# KiCad board fella.kicad_pcb (continued)
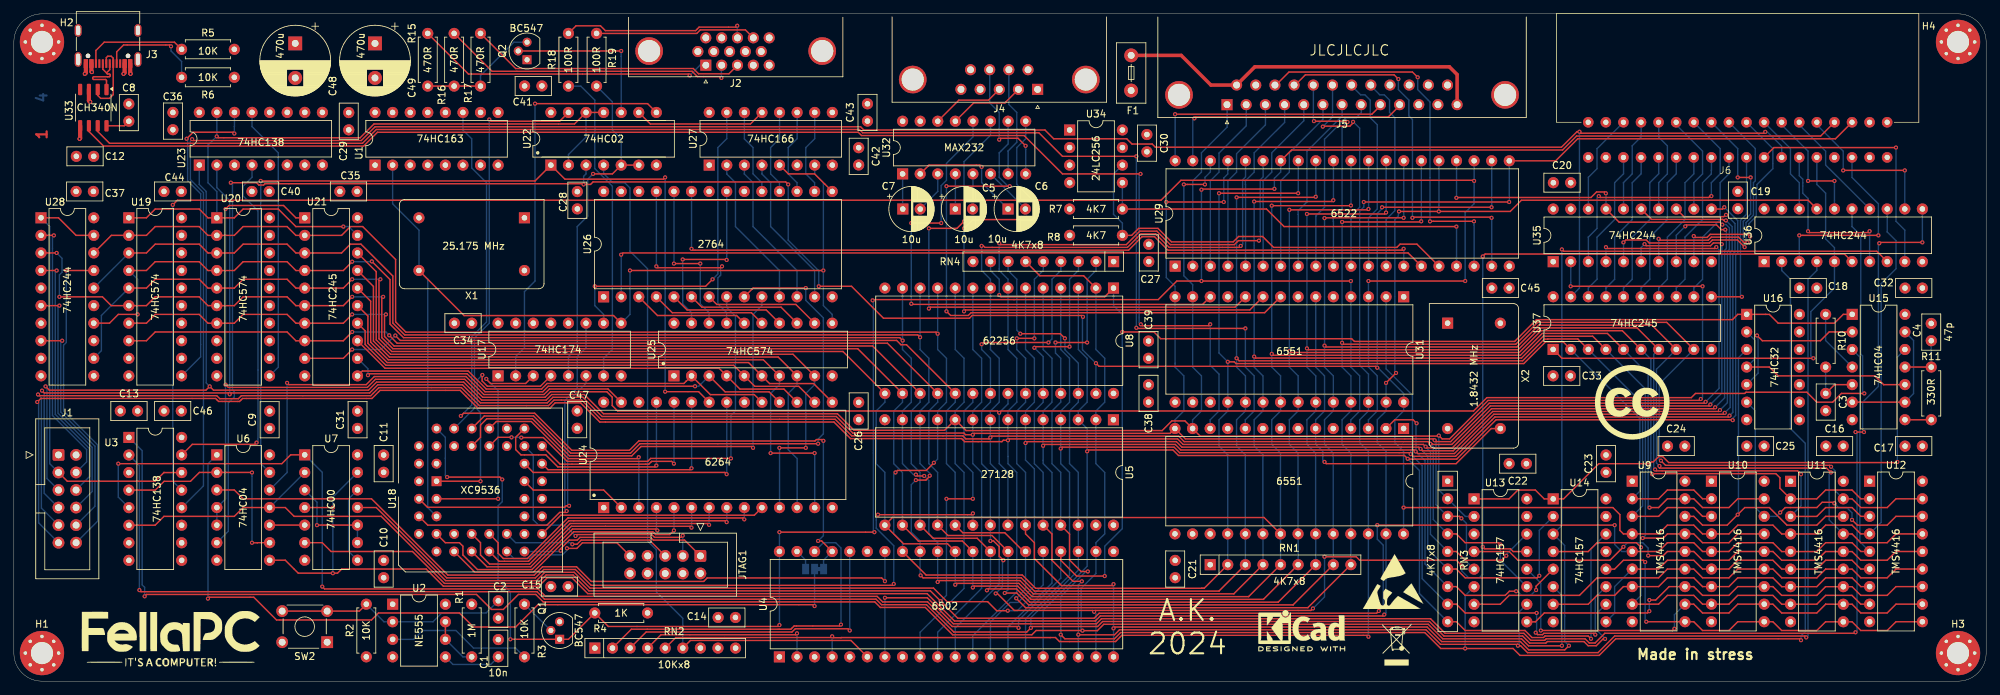
[diagram p0: board, top side]
## Routing (per net, layer and track width the routed paths; a pad name or vN(x,y) marks a point on that pad's centre or on a via; arc(x,y) is an arc through that point) (continued)
/vga/ROW8: length 79.9
  Top w0.2: U24.2 85.2,27.65 75.03,27.65 U18.25
  In1.Cu w0.2: U18.25 75.03,30.19 76.81,30.19 78.37,31.75 78.37,35.62 71.45,42.54 36.77,42.54 35.66,43.65 35.66,50.49 U20.14
/vga/VSYNC: length 50.7
  Top w0.2: 90.28,74.64 U22.5 86.47,73.37 v1(83.67,73.37)
  Bottom w0.2: U17.5 80.11,46.95 81.38,48.22 81.38,65.75 82.9,67.27 82.9,72.61 v1(83.67,73.37) ; R19.1 86.46,83.78 86.46,79.72 87.73,78.44 U22.5
/vga/~{LOAD}: length 48.3
  Top w0.2: v1(83.92,57.11) 99.92,57.11 v1(100.94,58.13)
  Bottom w0.2: v1(100.94,58.13) 101.7,58.89 101.7,77.18 102.99,78.47 U27.15 ; U17.10 85.19,53.05 83.92,54.32 v1(83.92,57.11)
Net-(C3-Pad1): length 8.2
  Top w0.2: C3.1 263.01,42.89 U15.5
  Bottom w0.2: C3.1 261.72,41.63 R10.2
Net-(C4-Pad1): length 7.6
  Top w0.2: R11.2 276.97,45.43 U15.11
  Bottom w0.2: R11.2 C4.1
Net-(J1-Pin_4): length 38.9
  Top w0.2: v1(5.78,64.48) U28.2
  Bottom w0.2: v1(5.78,64.48) 5.58,64.28 5.58,38.42 10.51,33.49 10.51,31.71 J1.4
Net-(J1-Pin_6): length 36.9
  Top w0.2: v1(6.18,59.4) U28.4
  Bottom w0.2: J1.6 10.91,29.57 10.91,33.66 5.98,38.59 5.98,59.2 v1(6.18,59.4)
Net-(J1-Pin_8): length 35
  Top w0.2: v1(6.58,54.32) U28.6
  Bottom w0.2: v1(6.58,54.32) 6.38,54.12 6.38,38.76 11.31,33.82 11.31,27.43 J1.8
Net-(J1-Pin_10): length 33
  Top w0.2: v1(6.98,49.24) U28.8
  Bottom w0.2: v1(6.98,49.24) 6.78,49.04 6.78,38.92 11.71,33.99 11.71,25.29 J1.10
Net-(J1-Pin_12): length 46.9
  Top w0.2: v1(7.56,59.4) U28.17
  Bottom w0.2: v1(7.56,59.4) 7.58,59.38 7.58,48.99 7.18,48.59 7.18,39.09 12.11,34.15 12.11,23.15 J1.12
Net-(J2-Pad1): length 43.3
  Top w0.2: R15.2 65.67,87.81 97.44,87.81 v1(97.64,87.61)
  Bottom w0.2: v1(97.64,87.61) 99.12,89.09 J2.1
Net-(J2-Pad2): length 43.1
  Top w0.2: R16.2 69.08,88.21 97.98,88.21 98.74,87.45 102.01,87.45 v1(102.21,87.25)
  Bottom w0.2: J2.2 102.21,89.05 v1(102.21,87.25)
Net-(J2-Pad3): length 40.1
  Top w0.2: R17.2 72.49,88.61 98.14,88.61 98.91,87.85 103.29,87.85 J2.3
Net-(J2-Pad13): length 27.2
  Top w0.2: R18.2 81.21,94.79 84.74,94.79 85.44,94.09 98.49,94.09 98.99,94.6 104.29,94.6 v1(104.49,94.8)
  Bottom w0.2: J2.13 104.49,93.09 v1(104.49,94.8)
Net-(J2-Pad14): length 23.3
  Top w0.2: 106.82,93.05 105.68,94.2 99.16,94.2 98.65,93.69 R19.2
Net-(J3-CC1): length 15.2
  Top w0.2: v1(22.71,91.82) 22.51,92.02 15.85,92.02 14.86,91.03 J3.A5
  Bottom w0.2: R6.1 24.23,89.62 22.71,91.15 v1(22.71,91.82)
Net-(J3-CC2): length 15.2
  Top w0.2: J3.B5 11.86,91.22 13.05,92.42 23.2,92.42 R5.1
Net-(J5-P14): length 54.8
  Top w0.5: F1.1 168.63,90.51 172.92,86.22 J5.14 179.27,88.86 207.36,88.86 208.48,87.74 J5.13
Net-(J5-P16): length 56.2
  Top w0.2: 182.19,86.09 184.2,88.1 202.03,88.1 v1(202.79,87.34) ; v1(204.57,66.51) v1(210.92,66.51)
  Bottom w0.2: v1(210.92,66.51) 210.92,66 210.94,65.98 U29.18 ; v1(204.57,66.51) 204.57,83.78 202.79,85.56 v1(202.79,87.34)
Net-(J5-P17): length 55.4
  Top w0.2: v1(213.46,67.02) 213.37,67.11 202.12,67.11 v1(202.03,67.02) ; v1(200,87.08) 199.38,87.7 186.57,87.7 184.96,86.09
  Bottom w0.2: v1(200,87.08) 200,85.56 201.52,84.04 201.52,81.75 202.03,81.24 v1(202.03,67.02) ; v1(213.46,67.02) 213.48,67 U29.19
Net-(J5-P18): length 31.7
  Top w0.2: v1(192.66,80.87) 192.54,80.99 187.82,80.99 v1(187.81,81)
  Bottom w0.2: v1(187.81,81) 187.72,81.09 187.72,86.09 ; U29.10 190.62,66.49 190.6,66.51 190.6,67.02 191.87,68.29 191.87,80.08 v1(192.66,80.87)
Net-(J5-P19): length 33
  Top w0.2: v1(189.09,80.21) 189.14,80.27 192.99,80.27 193.46,80.74 v1(193.46,80.9)
  Bottom w0.2: 190.49,86.09 190.49,81.62 v1(189.09,80.21) ; v1(193.46,80.9) 193.49,80.9 194.41,79.97 194.41,68.54 193.14,67.27 193.14,66.76 193.16,66.74 U29.11
Net-(J5-P20): length 28.5
  Bottom w0.2: U29.12 195.7,66.49 195.68,66.51 195.68,67.02 196.95,68.29 196.95,80.48 195.93,81.5 195.93,84.04 195.17,84.8 194.55,84.8 193.27,86.09
Net-(J5-P21): length 28.4
  Bottom w0.2: U29.13 198.24,66.78 199.49,68.03 199.49,81.5 198.73,82.26 198.73,84.04 197.97,84.8 197.32,84.8 196.03,86.09
Net-(J6-Pin_3): length 14.6
  Bottom w0.2: J6.3 228.7,77.03 228.7,74.13 227.45,72.88 U35.18
Net-(J6-Pin_4): length 13.2
  Bottom w0.2: 235.07,80.45 235.07,78.72 233.78,77.43 233.78,73.37 232.51,72.1 232.53,72.08 U35.16
Net-(J6-Pin_5): length 13.2
  Bottom w0.2: 237.6,80.45 237.6,78.69 238.86,77.43 238.86,73.37 237.59,72.1 237.6,72.08 U35.14
Net-(J6-Pin_6): length 14.3
  Bottom w0.2: 240.15,80.45 243.94,76.66 243.94,73.37 242.68,72.11 U35.12
Net-(J6-Pin_7): length 39.3
  Top w0.2: v1(228.95,70.16) 229.15,69.96 244.85,69.96 245.05,70.16 v1(245.21,70.16)
  Bottom w0.2: U35.3 227.45,64.21 227.43,64.22 228.7,65.49 228.7,69.9 v1(228.95,70.16) ; v1(245.21,70.16) 245.21,72.1 246.48,73.37 246.48,77.03 J6.7
Net-(J6-Pin_8): length 43.3
  Top w0.2: v1(232.51,63.46) 232.86,63.81 235.81,63.81 236.24,63.38 244.93,63.38 245.36,63.81 248.99,63.81 v1(250.02,62.78) ; v1(249.02,72.86) v1(250.89,72.86)
  Bottom w0.2: v1(232.51,63.46) 232.53,63.45 U35.5 ; v1(250.89,72.86) 250.89,67.56 249.82,66.49 249.82,62.98 v1(250.02,62.78) ; v1(249.02,72.86) 249.02,77.03 J6.8
Net-(J6-Pin_9): length 36.3
  Top w0.2: v1(237.59,63.98) 237.79,63.78 244.76,63.78 245.21,64.22 249.14,64.22 249.9,63.47 v1(250.42,63.47)
  Bottom w0.2: v1(250.42,63.47) 250.22,63.67 250.22,66.32 251.29,67.39 251.29,72.1 251.56,72.37 251.56,77.03 J6.9 ; v1(237.59,63.98) 237.6,63.96 U35.7
Net-(J6-Pin_10): length 31.9
  Top w0.2: v1(250.82,64.31) 250.51,64.62 245.04,64.62 244.6,64.18 242.87,64.18 v1(242.67,64.38)
  Bottom w0.2: v1(242.67,64.38) 242.68,64.36 U35.9 ; J6.10 254.1,77.03 254.1,74.13 251.81,71.84 251.81,71.34 251.69,71.21 251.69,67.23 250.62,66.16 250.62,64.51 v1(250.82,64.31)
Net-(J6-Pin_11): length 14.6
  Bottom w0.2: J6.11 256.64,77.03 256.64,73.37 257.91,72.09 257.91,68.3
Net-(J6-Pin_12): length 17.5
  Top w0.2: v1(262.99,72.35) v1(259.18,72.35)
  Bottom w0.2: 255.39,80.45 259.18,76.66 v1(259.18,72.35) ; 263,68.3 263,72.35 v1(262.99,72.35)
Net-(J6-Pin_13): length 16.4
  Bottom w0.2: 257.92,80.45 261.72,76.66 261.72,74.65 268.08,68.3
Net-(J6-Pin_14): length 22.6
  Top w0.2: v1(264.26,73.88) v1(273.15,73.88)
  Bottom w0.2: v1(264.26,73.88) 264.26,76.66 260.47,80.45 ; v1(273.15,73.88) 273.15,73.87 273.15,68.3
Net-(J6-Pin_21): length 21.9
  Bottom w0.2: 232.53,75.37 232.53,73.38 231.24,72.1 231.24,66.76 228.7,64.22 228.7,58.13 227.44,56.87 U37.18
Net-(J6-Pin_22): length 21.9
  Bottom w0.2: 235.07,75.37 235.07,73.38 233.78,72.1 233.78,66.76 231.24,64.22 231.24,58.13 229.97,56.86 229.98,56.85 U37.17
Net-(J6-Pin_23): length 21.9
  Bottom w0.2: 237.6,75.37 237.6,73.38 236.32,72.1 236.32,66.76 233.78,64.22 233.78,58.13 232.51,56.86 232.52,56.85 U37.16
Net-(J6-Pin_24): length 21.9
  Bottom w0.2: U37.15 235.06,56.87 236.32,58.13 236.32,64.22 238.86,66.76 238.86,72.1 240.15,73.38 240.15,75.37
Net-(J6-Pin_25): length 21.9
  Bottom w0.2: 242.68,75.37 242.68,73.38 241.4,72.1 241.4,66.76 238.86,64.22 238.86,58.13 237.6,56.87 U37.14
Net-(J6-Pin_26): length 21.9
  Bottom w0.2: U37.13 240.14,56.87 241.4,58.13 241.4,64.22 243.94,66.76 243.94,72.1 245.21,73.37 245.21,73.88 245.22,73.89 245.22,75.37
Net-(J6-Pin_27): length 21.9
  Bottom w0.2: U37.12 242.68,56.87 243.94,58.13 243.94,64.22 246.48,66.76 246.48,72.1 247.77,73.38 247.77,75.37
Net-(J6-Pin_28): length 25
  Top w0.2: v1(249.62,55.59) 249.61,55.6 U37.11
  Bottom w0.2: v1(249.62,55.59) 249.42,55.79 249.42,66.66 250.29,67.53 J6.28
Net-(J6-Pin_29): length 36.7
  Top w0.2: v1(271.88,77.18) 254.25,77.18 J6.29
  Bottom w0.2: U36.9 273.15,65.24 271.88,66.51 v1(271.88,77.18)
Net-(J6-Pin_31): length 24.7
  Top w0.2: v1(268.07,65.08) 267.87,64.88 259.38,64.88 v1(259.18,65.08)
  Bottom w0.2: J6.31 257.91,73.11 258.42,72.61 258.42,70.57 259.18,69.81 v1(259.18,65.08) ; v1(268.07,65.08) 268.07,64.73 268.08,64.73 U36.7
Net-(J6-Pin_32): length 69.8
  Top w0.2: v1(259.94,46.7) 223.64,46.7 U37.1
  Bottom w0.2: v1(259.94,46.7) 259.58,47.06 259.58,53.45 263,56.86 U36.5 263,62.7 261.72,63.97 261.72,70.57 260.45,71.84 J6.32
Net-(J6-Pin_34): length 28.1
  Top w0.2: v1(257.91,64.48) v1(269.34,64.48)
  Bottom w0.2: U36.3 257.91,64.47 v1(257.91,64.48) ; J6.34 265.53,72.86 269.34,69.05 v1(269.34,64.48)
Net-(JP1-B): length 3.1
  Bottom w0.2: U4.39 114.37,17.52 JP1.3
Net-(JTAG1-Pin_1): length 27.5
  Top w0.2: v1(78.98,18.87) 78.98,19.15 80.23,20.4 81.39,20.4 81.79,20.8 91.98,20.8 92.38,20.4 96.89,20.4 JTAG1.1
  Bottom w0.2: U18.17 78.87,18.76 v1(78.98,18.87)
Net-(JTAG1-Pin_3): length 37
  Top w0.2: v1(81.14,21) 81.34,21.2 92.14,21.2 92.54,20.8 96.38,20.8 v1(96.62,21.04)
  Bottom w0.2: v1(81.14,21) 79.57,22.57 75.79,22.57 75.03,23.33 75.03,32.73 U18.30 ; JTAG1.3 96.63,21.03 v1(96.62,21.04)
Net-(JTAG1-Pin_5): length 24.7
  Top w0.2: v1(80.68,19.8) 81.35,19.8 81.95,20.4 91.81,20.4 JTAG1.5
  Bottom w0.2: U18.16 72.49,20.03 80.45,20.03 v1(80.68,19.8)
Net-(JTAG1-Pin_9): length 20.1
  Top w0.2: v1(79.9,19.22) 79.92,19.2 81.32,19.2 82.12,20 87.13,20 JTAG1.9
  Bottom w0.2: U18.15 72.23,17.75 74.52,17.75 74.52,17.74 75.05,18.27 79.23,18.27 79.9,18.94 v1(79.9,19.22)
Net-(Q1-B): length 5.4
  Bottom w0.2: R3.2 Q1.2
Net-(Q2-B): length 23.8
  Top w0.2: Q2.2 v1(87.73,91.15)
  Bottom w0.2: U22.10 87.73,90.38 87.73,90.39 v1(87.73,91.15)
Net-(Q2-E): length 17.9
  Top w0.2: R15.1 R16.1 R17.1
  Bottom w0.2: R17.1 67.41,87.59 72.24,92.42 74.13,92.42
Net-(R10-Pad1): length 9.2
  Bottom w0.2: U15.4 261.72,49.27 R10.1
Net-(R11-Pad1): length 3.8
  Top w0.2: U15.8 273.18,37.81 R11.1
Net-(RN2-R1): length 50.1
  Top w0.2: RN2.2 89.2,7.51 112.24,7.51 112.71,7.98 119.28,7.98 v1(119.48,8.18)
  Bottom w0.2: U4.38 116.94,20.03 118.72,20.03 119.48,19.27 v1(119.48,8.18)
Net-(RN2-R2): length 44.4
  Top w0.2: RN2.3 91.34,7.11 112.41,7.11 112.88,7.58 120.5,7.58 v1(120.75,7.33)
  Bottom w0.2: v1(120.75,7.33) U4.36
Net-(RN2-R3): length 25.8
  Top w0.2: RN2.4 93.48,6.71 112.93,6.71 v1(113.13,6.91)
  Bottom w0.2: v1(113.13,6.91) U4.2
Net-(U2-CV): length 8.6
  Bottom w0.2: U2.5 63.43,2.42 68.88,2.42 C1.1
Net-(U2-DIS): length 7.4
  Top w0.2: U2.7 U2.6
  Bottom w0.2: R1.2 64.87,3.52 U2.6
Net-(U2-Q): length 21.1
  Bottom w0.2: R3.1 72.49,4.79 66.39,4.79 63.85,7.33 59.03,7.33 57.75,6.05 U2.3
Net-(U2-TR): length 34
  Top w0.2: R2.2 49.91,10.14 SW2.2 SW2.2
  Bottom w0.2: C2.1 68.23,9.87 61.82,9.87 60.54,8.59 U2.2 53.47,8.59 R2.2
Net-(U4-R/~{W}): length 107.7
  Top w0.2: U6.3 31.84,27.65 33.12,26.38 51.66,26.38 62.7,15.34 75.17,15.34 75.79,15.96 76.37,16.55 81.28,16.55 83.4,14.43 99.65,14.43 100.16,14.93 125.36,14.93 v1(125.83,14.46)
  Bottom w0.2: v1(125.83,14.46) U4.34
Net-(U6-Pad10): length 5.1
  Top w0.2: 36.94,22.57 U7.5
Net-(U7-Pad10): length 14.2
  Top w0.2: v1(43.79,22.57) 43.79,22.57 U7.10
  Bottom w0.2: v1(43.79,22.57) 43.79,25.89 U7.3 ; U7.9 U7.10
Net-(U7-Pad12): length 11.2
  Bottom w0.2: U7.12 48.36,26.37 48.36,18.77 U7.8
Net-(U10-~{CAS}): length 43.7
  Top w0.2: v1(255.16,24.39) 255.88,25.11 260.45,25.11 261.21,25.87 262.83,25.87 v1(262.99,25.71) ; U12.16 271.88,23.84 270.61,22.57 266.29,22.57 v1(265.53,23.33)
  Bottom w0.2: U16.6 251.56,39.11 251.56,25.12 U10.16 254.61,23.84 v1(255.16,24.39) ; v1(265.53,23.33) 265.53,24.35 264.77,25.11 263.59,25.11 v1(262.99,25.71)
Net-(U11-~{CAS}): length 50.4
  Top w0.2: U11.16 262.24,23.83 262.23,23.84 261.72,23.84 260.45,22.57 256.13,22.57 253.59,25.11 250.04,25.11 v1(249.02,24.09) 247.5,22.57 243.94,22.57 242.67,23.84 U9.16
  Bottom w0.2: v1(249.02,24.09) 249.12,24.2 249.12,46.78 U16.3
Net-(U13-S): length 81.9
  Top w0.2: U13.1 215.98,26.36 217.27,27.65 219.78,27.65 221.07,26.36 U14.1 223.6,26.36 223.62,26.38 223.87,26.38 228.95,31.46 236.32,31.46 236.57,31.71 236.83,31.71 237.6,32.49 238.18,32.49 239.05,31.62 271.99,31.62 v1(272.08,31.71)
  Bottom w0.2: v1(272.08,31.71) 272.08,46.87 U15.12
Net-(U15-Pad2): length 22.4
  Top w0.2: U15.2 262.23,50.51 260.96,49.24 252.58,49.24 v1(251.81,50)
  Bottom w0.2: v1(251.81,50) 251.96,49.85 251.96,44.54 U16.5
Net-(U15-Pad10): length 30
  Top w0.2: U16.4 253.59,45.43 254.86,44.16 268.83,44.16 270.1,42.89 270.11,42.89 U15.10
  Bottom w0.2: U16.4 251.56,46.68 251.56,49.27 U16.2
Net-(U15-Pad13): length 18.8
  Top w0.2: U15.6 U15.9
  Bottom w0.2: U15.9 274.42,41.59 274.42,49.27 U15.13
Net-(U17-D0): length 34.5
  Top w0.2: v1(69.95,26.38) U18.3 ; U17.3 73.93,43.06 68.85,43.06 68.24,43.66 v1(68.24,43.72)
  Bottom w0.2: v1(69.95,26.38) 69.95,42.02 v1(68.24,43.72)
Net-(U17-D1): length 34
  Top w0.2: U17.4 76.07,42.66 68.4,42.66 67.64,43.42 67.64,44.25 v1(67.68,44.29) ; v1(67.41,28.92) U18.1
  Bottom w0.2: v1(67.68,44.29) 66.94,43.55 66.94,39.31 67.41,38.84 v1(67.41,28.92)
Net-(U17-D2): length 42.3
  Top w0.2: U18.2 59.75,25.15 79.56,25.15 79.77,25.36 v1(80.2,25.36)
  Bottom w0.2: v1(80.2,25.36) 80,25.56 80,40.44 82.65,43.08 U17.6
Net-(U17-D3): length 51.2
  Top w0.2: U18.4 59.79,22.57 77,22.57 78.84,24.4 79.66,24.4 v1(79.86,24.6)
  Bottom w0.2: U17.11 82.65,48.22 81.38,46.95 81.38,42.38 79.6,40.6 79.6,24.86 v1(79.86,24.6)
Net-(U18-M8-Pad37): length 58.9
  Top w0.2: 80.12,82.26 78.84,80.99 68.93,80.99 v1(68.68,81.24)
  Bottom w0.2: 80.11,82.25 80.12,82.26 ; U18.37 66.54,39.48 66.54,49.64 68.68,51.78 v1(68.68,81.24)
Net-(U19-Cp): length 46.7
  Top w0.2: v1(31.85,79.21) 31.67,79.39 25.9,79.39 v1(24.96,78.45)
  Bottom w0.2: v1(24.96,78.45) 25.1,78.31 25.1,72.38 26.99,70.5 26.99,46.91 U19.11 ; v1(31.85,79.21) 31.85,80.23 31.87,80.25 U23.14
Net-(U19-OE): length 118.7
  Top w0.2: U19.1 19.15,67.02 20.42,68.29 26.77,68.29 28.05,67.01 U20.1 31.84,67.01 33.12,68.29 38.2,68.29 40.74,65.75 v1(47.6,65.75) ; U22.11 U22.12 80.98,80.59 52.02,80.59 50.03,78.59 29.51,78.59 v1(29.31,78.79)
  Bottom w0.2: U20.1 29.32,70.82 28.04,72.1 28.04,77.52 v1(29.31,78.79) 29.33,78.81 U23.15 ; 80.12,74.64 80.12,76.17 82.65,78.7 82.65,78.96 82.66,78.96 U22.12 ; v1(47.6,65.75) 48.37,65.75 49.64,64.47
Net-(U20-Cp): length 40.2
  Bottom w0.2: U20.11 38.2,45.41 38.2,76.42 34.41,80.21 U23.13
Net-(U24-~{OE}): length 141
  Top w0.2: 100.44,40.34 98.92,41.87 v1(94.08,41.87) ; v1(35.66,72.35) 75.29,72.35 U22.1 79.61,72.61 93.83,72.61 v1(94.08,72.86)
  Bottom w0.2: v1(94.08,72.86) v1(94.08,41.87) ; v1(35.66,72.35) 35.66,31.48 36.94,30.19
Net-(U24-~{WR}): length 67.6
  Top w0.2: v1(39.47,43.14) 39.72,42.89 50.9,42.89 52.07,44.06 65.3,44.06 67.9,41.46 76.57,41.46 77.37,42.26 85.83,42.26 U24.27
  Bottom w0.2: 36.94,27.65 39.47,30.18 v1(39.47,43.14)
Net-(U25-Q0): length 26
  Top w0.2: v1(102.97,60.92) 102.89,61 v1(96.62,61)
  Bottom w0.2: v1(96.62,61) 96.62,54.57 97.9,53.3 97.9,51.78 ; v1(102.97,60.92) 102.97,60.93 U26.21
Net-(U25-Q1): length 23.4
  Top w0.2: v1(95.35,60.4) v1(99.16,60.4)
  Bottom w0.2: U26.24 95.35,60.67 95.35,60.67 v1(95.35,60.4) ; v1(99.16,60.4) 99.16,54.57 100.44,53.3 U25.18
Net-(U25-Q2): length 29.5
  Top w0.2: v1(92.81,60) 93.01,59.8 102.1,59.8 v1(102.3,60)
  Bottom w0.2: v1(92.81,60) 92.81,60 U26.25 ; U25.17 102.97,53.3 101.7,54.57 101.7,58.32 102.1,58.72 102.1,59.8 v1(102.3,60)
Net-(U25-Q3): length 16.8
  Top w0.2: U25.16 104.41,52.89 92.97,52.89 U26.3
Net-(U25-Q4): length 16.8
  Top w0.2: 108.06,51.78 106.54,53.29 95.12,53.29 U26.4
Net-(U25-Q5): length 16.8
  Top w0.2: U25.14 108.69,53.69 97.25,53.69 U26.5
Net-(U25-Q6): length 16.8
  Top w0.2: 97.9,55.59 99.4,54.09 110.82,54.09 U25.13
Net-(U25-Q7): length 16.8
  Top w0.2: 115.68,51.78 115.67,51.78 112.96,54.49 101.53,54.49 U26.7
Net-(U26-D0): length 22.2
  Bottom w0.2: U26.11 110.59,59.39 104.24,65.75 104.24,72.1 102.97,73.37 102.99,73.39 U27.2
Net-(U26-D1): length 22.2
  Bottom w0.2: U27.3 105.53,73.39 105.51,73.37 106.78,72.1 106.78,65.75 113.13,59.39 U26.12
Net-(U26-D2): length 22.2
  Bottom w0.2: 115.68,55.59 115.68,59.39 109.32,65.75 109.32,72.1 108.05,73.37 108.07,73.39 U27.4
Net-(U26-D3): length 9.2
  Top w0.2: U26.15 117.12,71.93 117.11,71.93 115.67,73.37 111.88,73.37 U27.5
Net-(U26-D4): length 12.5
  Bottom w0.2: 115.68,70.83 115.68,72.09 114.4,73.37 114.4,77.18 115.69,78.47 U27.10
Net-(U26-D5): length 12.5
  Bottom w0.2: U27.11 113.15,78.47 111.86,77.18 111.86,73.37 113.13,72.09 U26.17
Net-(U26-D6): length 12.5
  Bottom w0.2: U26.18 110.59,72.09 109.32,73.37 109.32,77.18 110.59,78.45 110.59,78.7 110.61,78.72 U27.12
Net-(U26-D7): length 12.5
  Bottom w0.2: 108.06,70.83 108.06,72.09 106.78,73.37 106.78,77.18 105.53,78.43 U27.14
Net-(U27-Qh): length 19.2
  Top w0.2: U27.13 106.4,80.59 91.94,80.59 90.28,82.26
Net-(U29-CA1): length 36.9
  Top w0.2: v1(167.74,82) 196.18,82 197.42,83.25
  Bottom w0.2: v1(167.74,82) 167.76,81.98 U29.40
Net-(U29-CA2): length 36.7
  Top w0.2: v1(170.53,81.4) 170.73,81.6 198.55,81.6 200.19,83.25
  Bottom w0.2: U29.39 170.3,81.17 v1(170.53,81.4)
Net-(U29-PA0): length 25.3
  Bottom w0.2: U29.2 170.3,72.37 171.55,73.62 171.55,76.42 175.26,80.13 175.26,83.25
Net-(U29-PA1): length 25.4
  Bottom w0.2: 178.03,83.25 178.03,80.33 174.09,76.39 174.09,73.62 172.84,72.37 U29.3
Net-(U29-PA2): length 25.5
  Bottom w0.2: U29.4 175.38,72.37 176.63,73.62 176.63,76.29 180.8,80.46 180.8,83.25
Net-(U29-PA3): length 25.6
  Bottom w0.2: U29.5 177.92,71.82 177.9,71.84 177.9,72.35 179.17,73.62 179.17,76.42 183.57,80.82 183.57,83.25
Net-(U29-PA4): length 25.7
  Bottom w0.2: U29.6 180.46,72.33 180.44,72.35 181.71,73.62 181.71,76.42 186.34,81.05 186.34,83.25
Net-(U29-PA5): length 25.8
  Bottom w0.2: U29.7 183,72.33 182.98,72.35 184.25,73.62 184.25,76.42 189.11,81.28 189.11,83.25
Net-(U29-PA6): length 25.9
  Bottom w0.2: 191.88,83.25 191.88,81.74 186.79,76.65 186.79,69.3 185.52,68.03 185.52,67.53 185.54,67.51 U29.8
Net-(U29-PA7): length 26.8
  Bottom w0.2: U29.9 188.08,67.25 188.06,67.27 189.33,68.54 189.33,78.39 192.28,81.34 192.28,81.36 192.42,81.5 193.9,81.5 194.65,82.24 194.65,83.25
Net-(U29-PB6): length 60.7
  Top w0.2: R8.1 161.47,64.48 162.48,65.49 165.27,65.49 167.22,63.54 176.14,63.54 176.92,64.32 180.39,64.32 181.96,62.74 199.78,62.74 200.25,63.21 202.67,63.21 U29.16
  Bottom w0.2: U34.6 158.85,73.35 158.85,67.53 160.13,66.24 R8.1
Net-(U29-PB7): length 58.8
  Top w0.2: R7.1 180.95,68.29 183.49,65.75 v1(208.38,65.75)
  Bottom w0.2: R7.1 U34.5 ; v1(208.38,65.75) 208.38,65.49 208.4,65.47 U29.17
Net-(U30-XTAL1): length 53.1
  Top w0.2: v1(189.33,31.71) 189.58,31.46 208.33,31.46 213.41,36.54 X2.8
  Bottom w0.2: v1(189.33,31.71) 189.08,31.97 189.08,33.24 188.06,34.25 188.06,34.51 188.05,34.52 U30.6 188.05,37.8 189.33,39.08 189.33,44.16 188.06,45.43 188.06,45.94 188.07,45.94 U31.6
Net-(U31-RxD): length 76.3
  Top w0.2: 172.82,55.59 171.72,54.49 129.73,54.49 v1(129.64,54.59) ; v1(133.96,66.26) v1(129.64,66.26)
  Bottom w0.2: v1(129.64,66.26) v1(129.64,54.59) ; v1(133.96,66.26) 133.96,71.68 134.72,72.44 134.72,74.89 138.54,78.72 U32.12
Net-(U31-TxD): length 79.6
  Top w0.2: v1(137.26,66.51) 136.24,65.49 v1(132.18,65.49) ; U31.10 176.41,54.09 132.38,54.09 v1(132.18,53.89)
  Bottom w0.2: v1(137.26,66.51) 137.26,75.15 141.09,78.97 U32.11 ; v1(132.18,53.89) v1(132.18,65.49)
Net-(U31-~{CTS}): length 82.6
  Top w0.2: v1(137.26,53.49) 137.46,53.69 178.54,53.69 180.44,55.59 ; v1(137.26,65.49) 138.53,66.76 v1(147.42,66.76)
  Bottom w0.2: U32.9 146.16,78.46 144.88,77.18 144.88,71.84 147.42,69.3 v1(147.42,66.76) ; v1(137.26,53.49) v1(137.26,65.49)
Net-(U31-~{RTS}): length 87.6
  Top w0.2: 182.98,55.59 180.69,53.29 138.28,53.29 137.88,52.89 135.32,52.89 v1(134.72,53.49) ; v1(143.86,71.59) v1(134.72,71.59)
  Bottom w0.2: v1(143.86,71.59) 143.61,71.59 142.34,72.86 142.34,76.42 143.62,77.7 U32.10 ; v1(134.72,53.49) v1(134.72,71.59)
Net-(U32-C1+): length 5.1
  Bottom w0.2: U32.1 128.38,68.32 C7.1
Net-(U32-C1-): length 6.1
  Bottom w0.2: U32.3 133.47,70.83 C7.2
Net-(U32-C2+): length 5.1
  Bottom w0.2: C5.1 136,68.29 U32.4
Net-(U32-C2-): length 5.1
  Bottom w0.2: U32.5 138.54,68.33 C5.2
Net-(U32-R1IN): length 11
  Top w0.2: U32.13 138.65,83.64 143.16,83.64 J4.2
Net-(U32-R2IN): length 19.1
  Top w0.2: v1(142.34,78.32) 142.54,78.52 145.06,78.52 v1(146.15,77.43)
  Bottom w0.2: U32.8 146.16,76.91 146.15,76.92 v1(146.15,77.43) ; v1(142.34,78.32) 142.34,82.26 140.97,83.63 J4.8
Net-(U32-T1OUT): length 10.8
  Top w0.2: J4.3 140.79,84.04 136.51,84.04 U32.14
Net-(U32-T2OUT): length 16.1
  Bottom w0.2: U32.7 143.62,76.66 143.61,76.67 144.88,77.94 144.88,82.26 143.73,83.4 J4.7
Net-(U32-VS+): length 17.2
  Top w0.2: U32.2 132.19,74.64 139.55,74.64 v1(139.8,74.38)
  Bottom w0.2: C6.1 139.8,72.11 v1(139.8,74.38)
Net-(U32-VS-): length 7.2
  Bottom w0.2: C6.2 146.12,68.33 U32.6
Net-(U33-UD+): length 10.2
  Top w0.2: J3.B6 12.86,88.51 13.39,87.98 ; 13.39,87.98 13.86,88.45 J3.A6 ; 13.39,87.98 arc(13.43,87.87) 13.55,87.82 13.78,87.82 arc(13.89,87.77) 13.94,87.66 13.94,87.58 arc(13.89,87.47) 13.78,87.42 11.55,87.42 arc(11.43,87.37) 11.39,87.26 11.39,87.18 arc(11.43,87.07) 11.55,87.02 13.22,87.02 arc(13.34,86.97) 13.39,86.86 U33.1
Net-(U33-UD-): length 10.8
  Top w0.2: U33.2 12.11,84.72 12.55,84.29 13.82,84.29 14.36,84.83 J3.B7 14.36,90.1 14.07,90.39 13.56,90.39 13.36,90.18 J3.A7
Net-(U33-V3): length 3.5
  Top w0.2: C8.1 15.95,80.33 U33.8

## Copper pours and planes (outline as drawn; the poured copper is in the pictures)
GND on In2.Cu: 284.99,96.52 0,96.52 0,0 284.99,0
VCC on In1.Cu: 284.99,96.52 0,96.52 0,0 284.99,0

## Text on the board
Bottom: 4
B.Silkscreen: EEPROM | Mount either U8 (SRAM version) **or** / U9, U10, U11, U12, U13, U14, U15, U16, / R10, R11, C3 and C4 (DRAM version) | JP1 - PH2 selection / 1-2: use clock / 2-3: use CPU output | Power | Glue Logic | Memory | User Port | Serial | DRAM | Expansion | Reset | VGA | RS232 | CPU
Top: 1
F.Silkscreen: 25.175 MHz | 74HC02 | 6264 | 74HC574 | 1.8432 MHz | JLCJLCJLC | Made in stress | A.K. / 2024
In1.Cu: 2
In2.Cu: 3
